# KiCad board amix 68k(r1).kicad_pcb (continued)
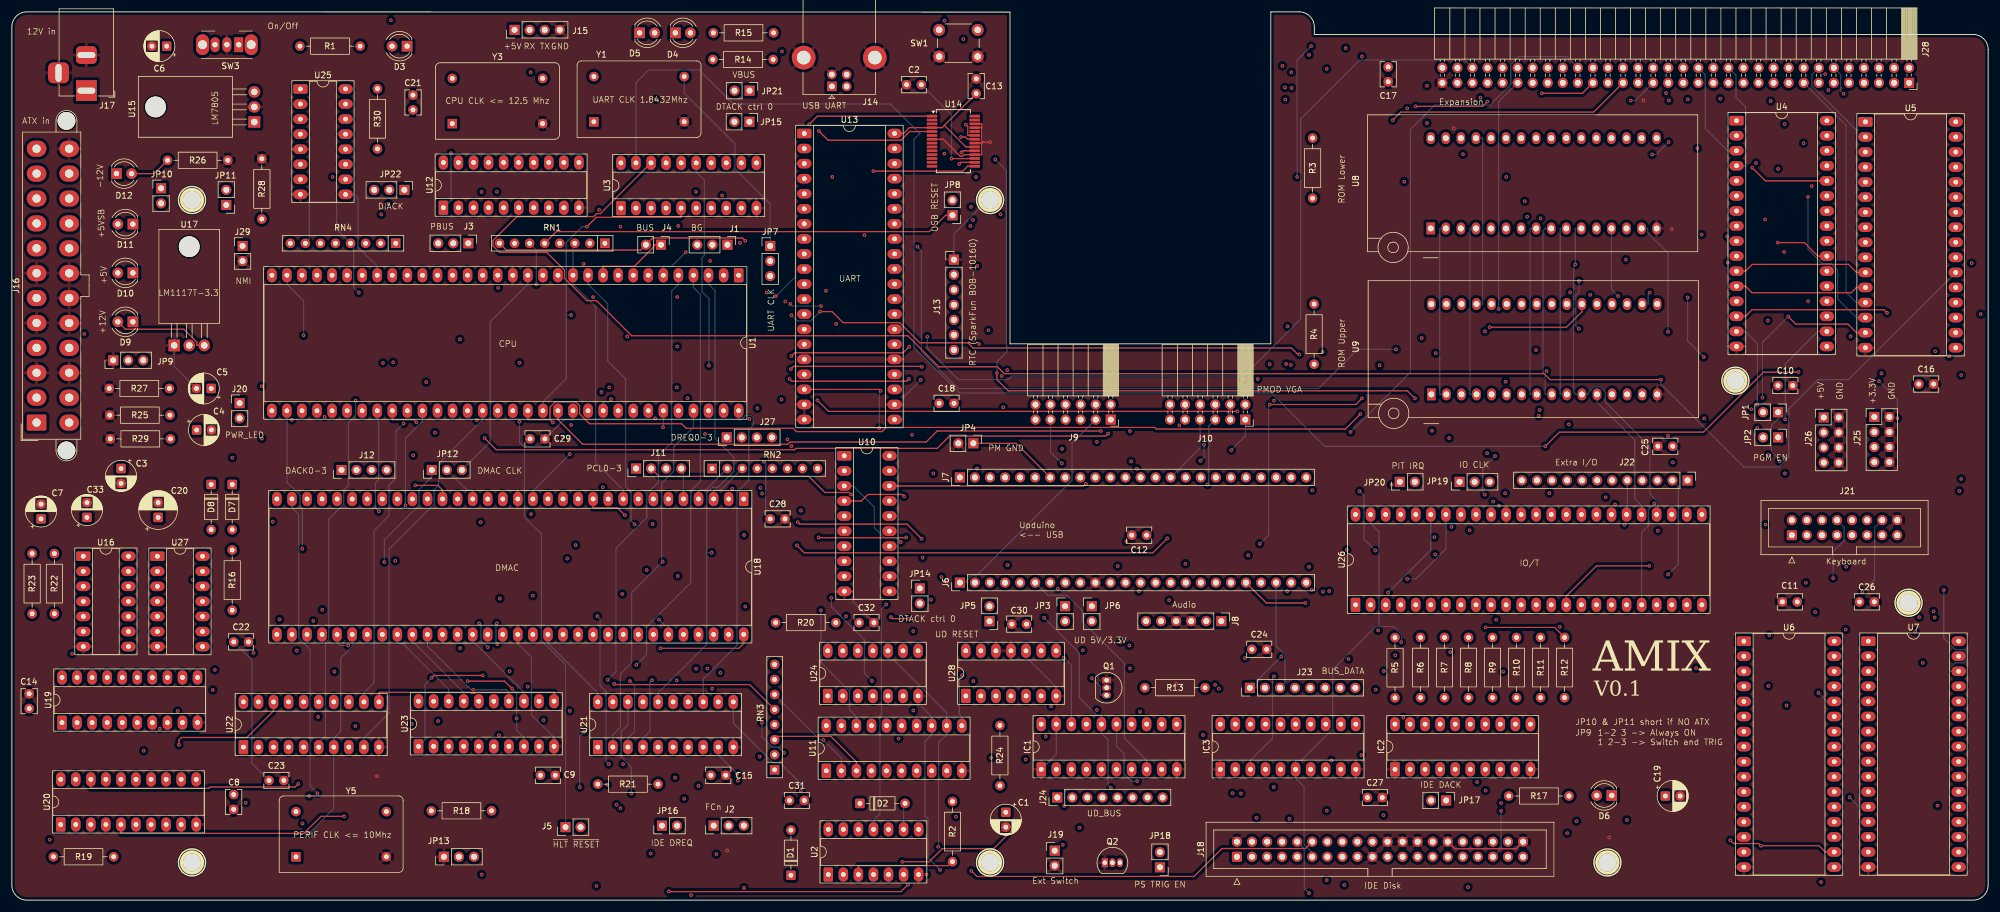
[diagram p0: board, top side]
## Routing (per net, layer and track width the routed paths; a pad name or vN(x,y) marks a point on that pad's centre or on a via; arc(x,y) is an arc through that point) (continued)
  Bottom w0.2: v1(147.49,49.89) 146.69,49.08 146.69,31.34 146.42,31.07 146.42,14.52 145.34,13.44 U2.11
JBODGE_GND: length 15.3
  Top w0.2: JP4.1 169.41,77.07 J7.7
JBUS_RESET_N: length 58.7
  In1.Cu w0.2: J24.8 193.96,17.48 IC1.9 ; JP5.1 164.92,46.47 164.85,46.4 164.85,24.37 v1(165.2,24.02)
  In2.Cu w0.2: IC1.9 193.96,23.57 193.19,24.34 165.52,24.34 v1(165.2,24.02)
KYBD_CAPS_LED: length 48.6
  In1.Cu w0.2: v1(277.66,62.33) 277.66,51.52 277.46,51.32 U26.21
  In2.Cu w0.2: v1(277.66,62.33) 296.14,62.33 296.77,62.96 311.81,62.96 J21.12
KYBD_CODE_LED: length 47.4
  In2.Cu w0.2: v1(312.17,51.99) 281.24,51.99 280.57,51.32 280,51.32 U26.22
  Bottom w0.2: v1(312.17,51.99) 314.23,54.05 314.23,62.84 J21.14
KYBD_COL_0: length 71.7
  In2.Cu w0.2: J21.1 245.48,61.57 235.23,51.32 234.28,51.32 U26.4
KYBD_COL_1: length 72
  In2.Cu w0.2: 247.6,59.98 247.77,60.15 ; 247.6,59.98 245.48,59.98 236.82,51.32 U26.5 ; 247.6,59.98 247.77,60.15 ; 247.77,60.15 301.38,60.15 J21.3
KYBD_COL_2: length 71.9
  In2.Cu w0.2: 280.37,59.71 303.48,59.71 J21.5 ; 280.37,59.71 280.25,59.58 ; 280.37,59.71 280.25,59.58 ; U26.6 239.36,51.32 247.39,59.35 280.01,59.35 280.25,59.58
KYBD_COL_3: length 79.3
  In1.Cu w0.2: J21.7 307.88,52.26 v1(304.2,48.59)
  In2.Cu w0.2: U26.7 241.9,48.32 242.3,47.92 250.64,47.92 251.04,47.51 276.15,47.51 276.39,47.75 ; 276.39,47.75 276.51,47.88 ; 276.39,47.75 276.51,47.88 ; v1(304.2,48.59) 303.5,47.88 276.51,47.88
KYBD_COL_4: length 76.3
  In1.Cu w0.2: v1(309.42,56.25) 310.42,57.25 J21.9
  In2.Cu w0.2: U26.8 244.44,48.32 252.55,48.32 253.33,49.1 253.33,50.52 258.16,55.35 276.62,55.35 277.53,56.25 v1(309.42,56.25)
KYBD_COL_5: length 71.8
  In2.Cu w0.2: 280.49,59.26 310.65,59.26 J21.11 ; 280.49,59.26 280.41,59.18 ; 280.49,59.26 280.41,59.18 ; 280.41,59.18 280.18,58.95 254.6,58.95 246.98,51.32 U26.9
KYBD_COL_6: length 71.8
  In2.Cu w0.2: 280.58,58.78 280.66,58.86 ; 280.58,58.78 280.66,58.86 ; 280.58,58.78 280.3,58.51 256.7,58.51 249.52,51.32 U26.10 ; 280.66,58.86 312.79,58.86 J21.13
KYBD_COL_7: length 72
  In2.Cu w0.2: J21.15 313.47,57 274.4,57 274.2,56.8 ; 274.2,56.8 274.03,56.64 ; 274.2,56.8 274.03,56.64 ; U26.11 252.06,51.32 257.37,56.64 274.03,56.64
KYBD_ROW_A: length 47.6
  In1.Cu w0.2: U26.17 267.3,51.32 272.02,56.05 v1(272.02,63.34)
  In2.Cu w0.2: v1(272.02,63.34) 287.36,63.34 289.34,65.33 301.58,65.33 J21.4
KYBD_ROW_B: length 49.1
  In1.Cu w0.2: v1(302.62,53.55) 304.07,55 304.07,62.84 J21.6
  In2.Cu w0.2: v1(302.62,53.55) 282.16,53.55 280.41,51.8 279.14,51.8 278.57,51.22 278.37,51.22 278.27,51.32 276.98,51.32 276.19,50.53 276.19,49.09 275.42,48.32 269.84,48.32 U26.18
KYBD_ROW_C: length 48.7
  In2.Cu w0.2: v1(307.23,54.33) 281.11,54.33 278.47,51.69 278.43,51.72 276.02,51.72 275.62,51.32 272.38,51.32 U26.19
  Bottom w0.2: v1(307.23,54.33) 307.23,58.82 309.07,60.66 309.07,62.92 J21.8
KYBD_ROW_D: length 52.5
  In2.Cu w0.2: v1(277.08,66.92) 307.61,66.92 J21.10
  Bottom w0.2: v1(277.08,66.92) 276.05,65.88 276.05,63.14 274.92,62.01 U26.20
PCLK: length 375.1
  In1.Cu w0.2: v1(131.51,76.61) 131.51,87.4 131.78,87.67 131.78,88.17 127.92,92.03 127.92,105.28 JP7.3 ; v1(62.84,57.04) 63.61,56.26 63.61,15.38 Y5.8 ; J28.33 280.61,136.68 280.61,79.6 v1(279.37,78.35)
  In2.Cu w0.2: v1(279.37,78.35) 252.77,78.35 245.36,70.94 245.36,70.57 244.79,70.57 ; JP19.1 244.79,70.57 ; 244.79,70.57 243.07,72.29 222.45,72.29 220.31,70.15 205.17,70.15 204.25,71.07 204.25,71.81 201.04,75.02 179.58,75.02 179.18,75.42 166.53,75.42 163.73,78.22 159.07,78.22 157.45,76.61 v1(131.51,76.61) 92.69,76.61 89.93,79.36 86.58,79.36 81.5,74.29 73.42,74.29 71.99,72.86 71.99,72.57 JP12.1
  Bottom w0.2: v1(62.84,57.04) 62.84,60.75 68.67,66.59 68.67,69.25 70.84,71.42 JP12.1
PMOD_GND: length 66.9
  In1.Cu w0.2: J9.4 J9.3
  In2.Cu w0.2: J10.4 204.34,82.42 184.02,82.42 J9.4
  Bottom w0.2: J9.3 178.85,77.09 178.85,70.84 162.73,54.72 161.93,54.72 161.07,53.86 161.07,53.57 J6.1 ; J10.3 J10.4
PS_TRIG: length 16.5
  In2.Cu w0.2: 158.95,31.11 158.78,30.94 ; 158.95,31.11 165.04,31.11 R24.1 ; 158.95,31.11 158.78,30.94 ; 158.78,30.94 152.63,30.94 152.63,30.94 U11.14
R/~{W}: length 480.1
  In1.Cu w0.2: U1.9 102.28,111.73 103.64,113.09 ; IC1.12 193.96,44.9 195.22,46.16 v1(195.22,50.61) ; U26.43 239.36,66.56 238.4,67.52 238.4,95.12 238,95.52 238,130.4 v1(238.71,131.1) ; v1(102.65,113.62) 103.12,113.62 103.64,113.09 ; 103.64,113.09 103.91,113.36 103.91,117.88 103.52,118.26 101.96,118.26 101.16,117.46 101.16,108.84 98.61,106.29 98.61,104.32 96.06,101.77 96.06,77.19 v1(94.11,75.24) ; U18.15 87.89,66.18 91.66,62.4 91.66,39.63 94.1,37.19 v1(94.1,31.93) 94.1,30.06 98.33,25.82 U21.1
  In2.Cu w0.2: U10.1 140.14,75.24 v1(94.11,75.24) ; v1(94.1,31.93) 94.65,31.38 100.08,31.38 100.33,31.13 119.56,31.13 119.96,31.53 125.51,31.53 RN3.6 ; v1(195.22,50.61) 195.35,50.74 223.79,50.74 224.93,51.89 v1(232.16,51.89) ; U3.7 117.98,115.26 111.72,115.26 110.08,113.62 v1(102.65,113.62) ; v1(273.07,134.89) 266.9,134.89 266.1,134.09 241.69,134.09 v1(238.71,131.1) ; v1(136.88,27.02) 137.28,26.62 192.39,26.62 193.96,28.19 IC1.12
  Bottom w0.2: U26.43 239.36,59.09 v1(232.16,51.89) ; RN3.6 136.34,27.02 v1(136.88,27.02) 139.93,23.97 U11.2 ; v1(273.07,134.89) 273.87,134.89 J28.35 ; v1(94.11,75.24) 88.06,69.18 87.89,69.18 U18.15
RESET: length 111.9
  In1.Cu w0.2: 145.16,65.54 145.33,65.37 ; 145.16,65.54 144.53,66.18 144.53,113.76 147.41,116.64 U13.35 ; 145.16,65.54 145.33,65.37 ; 145.33,65.37 145.33,50.46 146.09,49.7 146.09,49.31 147.31,48.08 147.31,47.88 148.96,46.23 148.96,28.54 149.64,27.87 149.85,27.87 153.78,23.94 153.78,14.26 152.96,13.44 U2.8
RTC_CIPO: length 33.1
  In1.Cu w0.2: 156.19,114.19 156.19,118.48 150.41,124.26 U13.38 ; 156.19,114.19 156.35,114.03 ; 156.19,114.19 156.35,114.03 ; 156.35,114.03 156.35,106.37 158.59,104.13 159.4,104.13 160.08,103.44 160.08,99.06 J13.5
RTC_CLK: length 18.9
  In1.Cu w0.2: 150.58,110.32 150.41,110.49 ; 150.58,110.32 150.41,110.49 ; 150.58,110.32 150.81,110.09 150.81,109.11 158.92,101.01 J13.4 ; 150.41,110.49 150.41,114.1 U13.34
RTC_COPI: length 20.7
  In1.Cu w0.2: 151.68,102.78 151.68,107.59 150.41,108.87 150.41,109.72 148.91,111.22 U13.33 ; 151.68,102.78 151.91,102.55 ; 151.68,102.78 151.91,102.55 ; 151.91,102.55 151.91,102.37 J13.6
RTC_SQW: length 24
  In1.Cu w0.2: 152.16,118.5 152.16,109.73 J13.3 ; 152.16,118.5 152,118.67 ; 152.16,118.5 152,118.67 ; 152,118.67 150.41,120.25 150.41,121.72 U13.37
RTC_SS: length 18.7
  In1.Cu w0.2: J13.7 152.16,99.58 152.16,101.49 150.41,103.24 150.41,106.48 U13.31
UART_CLK: length 34.6
  Bottom w0.2: Y1.8 113.42,136.16 121.96,127.62 121.96,123.41 127.92,117.45 JP7.1
UART_RX: length 106.1
  Top w0.2: v1(134.5,130.88) 135.89,132.27 U14.1
  In1.Cu w0.2: J15.2 87.34,139.83 v1(87.51,139.66) ; U13.10 135.17,106.48 135.66,106.97 135.66,126.8 135.26,127.21 135.26,130.13 v1(134.5,130.88)
  In2.Cu w0.2: v1(134.5,130.88) 130.98,134.4 92.15,134.4 87.51,139.04 v1(87.51,139.66)
UART_TX: length 106.6
  Top w0.2: U14.5 151.44,129.67 149.97,128.2 137.69,128.2 v1(136.13,129.77)
  In1.Cu w0.2: 136.23,117.91 136.06,118.07 ; 136.23,117.91 136.06,118.07 ; 136.23,117.91 136.23,105 135.17,103.94 U13.11 ; 136.06,118.07 136.06,126.97 135.83,127.21 ; 135.66,129.77 135.66,130.57 129.91,136.32 v1(129.91,143.17) ; 135.66,129.77 v1(136.13,129.77) ; 135.66,129.77 135.66,127.37 ; 135.66,127.37 135.83,127.21 ; 135.66,127.37 135.83,127.21
  In2.Cu w0.2: J15.3 93.53,143.17 v1(129.91,143.17)
UD_3V3: length 4.8
  In1.Cu w0.2: JP6.1 182.17,51.64 J6.9
UD_5V: length 4
  In1.Cu w0.2: JP3.1 177.67,50.75 177.7,50.78 J6.8
UD_IRQ: length 39.6
  In1.Cu w0.2: J7.6 168.81,67.51 168.81,51.6 167.23,50.02 167.23,37.19 166,35.95 U28.3
USB_D+: length 36.5
  Top w0.2: v1(145.33,122.99) 160.41,122.99 161.24,123.82 U14.15
  In1.Cu w0.2: v1(145.33,122.99) 139.67,128.65 139.67,138.14 J14.3
USB_D-: length 27.4
  Top w0.2: v1(159.8,124.21) 160.06,124.47 U14.16
  In1.Cu w0.2: J14.2 147.17,137.28 159.8,124.66 v1(159.8,124.21)
VGA_B0: length 46.2
  In2.Cu w0.2: J9.12 173.94,82.34 175.63,82.34 176.6,81.37 176.6,80.54 180.91,76.23 204.56,76.23 205.46,75.33 209.25,75.33 J7.22
VGA_B1: length 38.8
  In1.Cu w0.2: J9.10 176.6,82.22 176.6,76.7 v1(177.16,76.14)
  In2.Cu w0.2: J7.19 201.54,75.42 179.74,75.42 179.03,76.14 v1(177.16,76.14)
VGA_B2: length 30.5
  In1.Cu w0.2: v1(196.95,80.09) 198.02,79.02 J7.16
  In2.Cu w0.2: v1(196.95,80.09) 196.78,79.92 182.33,79.92 181.56,80.69 181.56,81.46 180.57,82.46 178.9,82.46 J9.8
VGA_B3: length 16.5
  In1.Cu w0.2: J7.13 190.39,71.32 189.17,72.53 189.17,72.81 181.56,80.43 181.56,82.34 J9.6
VGA_G0: length 21.1
  In1.Cu w0.2: J7.21 210.72,71.77 205.96,76.53 205.85,76.53 201.72,80.66 201.72,81.43 200.93,82.23 196.53,82.23 J10.11
VGA_G1: length 11.9
  In1.Cu w0.2: J10.9 203.1,75.88 J7.18
VGA_G2: length 11.8
  Bottom w0.2: J10.7 200.45,76.29 J7.15
VGA_G3: length 25.8
  In2.Cu w0.2: J7.12 189.05,70.12 v1(201.7,70.12)
  Bottom w0.2: v1(201.7,70.12) 201.9,70.33 201.9,79.98 J10.5
VGA_HS: length 28.3
  In1.Cu w0.2: J7.9 180.94,71.32 182.52,69.74 193.05,69.74 194.21,70.89 194.21,82.45 J10.12
VGA_R0: length 39.5
  In2.Cu w0.2: J9.11 175.94,77.8 178.14,77.8 180.11,75.83 203.67,75.83 J7.20
VGA_R1: length 32.6
  In2.Cu w0.2: v1(177.11,73.69) 177.39,73.42 198.46,73.42 J7.17
  Bottom w0.2: v1(177.11,73.69) 175.21,75.6 J9.9
VGA_R2: length 22.4
  In1.Cu w0.2: J7.14 191.78,70.16 184.85,70.16 184.05,70.96 184.05,74.77 J9.7
VGA_R3: length 11.8
  In1.Cu w0.2: J9.5 185.32,76.04 J7.11
VGA_VS: length 25.3
  In1.Cu w0.2: v1(189.77,72.78) 189.77,79.69 194.91,84.83 196.69,84.83 J10.10
  In2.Cu w0.2: v1(189.77,72.78) 184.24,72.78 J7.10
~{AS}: length 385
  Top w0.2: v1(248.92,134.73) 248.11,133.92 v1(236.79,133.92) ; v1(150.52,68.12) 150.2,68.44 144.4,68.44 143.3,67.34 U10.4
  In1.Cu w0.2: v1(113.68,109.3) 114.08,109.7 114.08,110.71 119.11,115.74 119.11,117.32 124.66,122.88 125.6,122.88 U3.11 ; v1(236.79,133.92) 236.79,89.94 232.75,85.9 v1(232.75,70.09) ; U18.14 90.43,73.25 93.56,76.38 93.56,78.3 93.39,78.47 93.39,100.69 95.86,103.16 95.86,106.76 v1(96.45,107.34) ; RN3.4 125.56,32.72 125.56,69.71 126.18,70.33 126.35,70.33 129.46,67.22 v1(129.46,66.92)
  In2.Cu w0.2: U18.14 90.43,66.18 90.45,66.16 128.69,66.16 v1(129.46,66.92) 138.5,66.92 138.92,67.34 U10.4 ; v1(232.75,70.09) 223.91,70.09 221.94,68.12 v1(150.52,68.12) ; J28.37 272.1,135.66 262.86,135.66 261.91,134.72 248.92,134.72 ; v1(96.45,107.34) 98.4,109.3 v1(113.68,109.3) ; 248.92,134.72 248.63,134.72 ; 248.92,134.72 v1(248.92,134.73)
  Bottom w0.2: v1(113.68,109.3) 111.31,106.93 109.9,106.93 U1.6
~{BERR}: length 261.6
  Top w0.2: v1(123.73,111.24) 123.24,111.72 108.11,111.72 J4.2 106.06,109.67 83.41,109.67 RN1.8
  In1.Cu w0.2: v1(233.5,92.91) 233.5,121.47 235.39,123.36 v1(235.39,133.57)
  In2.Cu w0.2: RN1.8 78.37,106.93 69.26,106.93 U1.22 ; J28.47 259.26,135.52 248.72,135.52 247.97,134.78 236.59,134.78 v1(235.39,133.57) ; v1(152.76,110.24) 131.98,110.24 130.7,111.52 124.01,111.52 v1(123.73,111.24)
  Bottom w0.2: v1(233.5,92.91) 227.01,92.91 220.42,86.32 159.67,86.32 153.42,92.57 153.42,109.49 152.76,110.14 v1(152.76,110.24)
~{BGACK}: length 74.6
  In2.Cu w0.2: 106.39,112.49 106.23,112.32 ; 106.39,112.49 106.63,112.72 114.2,112.72 115.15,111.78 118.63,111.78 119.56,110.86 119.56,110.57 J1.1 ; 106.39,112.49 106.23,112.32 ; 106.23,112.32 96.46,112.32 RN1.3
  Bottom w0.2: RN1.3 94.66,110.52 U1.12 94.66,103.93 98.47,100.12 98.47,73.84 103.13,69.18 U18.9
~{BG}: length 318.6
  Top w0.2: v1(153.46,60.98) 151,63.44 132.9,63.44 v1(132.57,63.76) ; v1(227.75,84.66) 226.71,83.62 v1(212.2,83.62) ; 266.7,137.88 264.94,136.12 v1(258.08,136.12)
  In1.Cu w0.2: v1(258.08,136.12) 253.32,131.36 253.32,123.23 v1(252.1,122.01) ; U18.58 108.21,46.32 108.08,46.45 v1(108.08,63.47) ; v1(234.88,121.21) 234.88,91.79 v1(227.75,84.66)
  In2.Cu w0.2: v1(153.46,60.98) 154.54,59.9 210.28,59.9 v1(210.5,60.12) ; v1(252.1,122.01) 251.3,121.21 v1(234.88,121.21) ; v1(105.05,63.4) 108.02,63.4 v1(108.08,63.47) 108.33,63.22 132.03,63.22 v1(132.57,63.76) ; U1.11 97.2,106.93 98.62,108.35 115.95,108.35 J1.2
  Bottom w0.2: v1(105.05,63.4) 104.44,64.02 104.44,68.85 103.53,69.75 103.53,87.96 100.51,90.98 100.51,100.62 97.2,103.93 U1.11 ; v1(210.5,60.12) 211.99,61.61 211.99,83.41 v1(212.2,83.62)
~{BR}: length 314.6
  In1.Cu w0.2: 113.25,85.41 111.15,83.31 111.15,81.79 109.73,80.37 109.6,80.37 109.25,80.02 109.25,79.48 109.18,79.41 109.18,70.42 109.34,70.27 109.34,62.94 109.14,62.75 v1(109.14,47.33) ; 113.25,85.41 v1(113.98,84.67) ; 113.25,85.41 113.25,85.5 113.87,86.13 113.87,107.85 115.63,109.61 J1.3 ; RN1.2 93.61,106.93 92.12,106.93 U1.13 ; v1(167.23,83.13) 167.23,86.76 166.96,87.03 v1(166.96,88.42) ; v1(221.12,92.49) 221.5,92.87 221.5,136.97 225,140.48 v1(225,143.74)
  In2.Cu w0.2: J1.3 114.28,111.92 98.6,111.92 RN1.2 ; v1(113.98,84.67) 114.18,84.47 128.32,84.47 132.81,79.98 145.8,79.98 146.09,80.26 146.58,80.26 146.87,79.98 149.77,79.98 151.32,81.54 151.32,81.54 165.63,81.54 v1(167.23,83.13) ; v1(221.12,92.49) 219.03,92.49 215.36,88.82 211.09,88.82 210.6,89.31 204.57,89.31 204.3,89.04 169.58,89.04 168.96,88.42 v1(166.96,88.42) ; v1(225,143.74) 262.53,143.74 265.34,140.93 265.34,139.06 J28.45
  Bottom w0.2: v1(109.14,47.33) 110.16,46.32 110.75,46.32 U18.59
~{DMAC_ACK0}: length 239.2
  In1.Cu w0.2: v1(230.01,58.99) 228.09,57.07 228.09,48.97 228.53,48.53 228.53,37.95 230.67,35.81 230.67,30.3 234.6,26.36 234.6,21.33 239.11,16.82 239.4,16.82 ; U18.26 59.95,69.18 59.83,69.18 56.76,72.25 56.76,72.57 J12.1
  In2.Cu w0.2: v1(227.35,68.99) 223.64,68.99 220.79,66.14 139.8,66.14 136.46,62.79 63.33,62.79 59.95,66.18 U18.26
  Bottom w0.2: v1(230.01,58.99) 228.1,60.9 228.1,68.24 v1(227.35,68.99)
~{DMAC_ACK1}: length 271.2
  In1.Cu w0.2: v1(69.89,87.4) 68.04,85.55 68.04,81.45 67.61,81.02 67.61,75.14 v1(67.72,75.04) ; J12.2 61.54,69.18 62.49,69.18 U18.25 ; v1(214.33,140.74) 213.17,139.58 213.17,92.57 211.42,90.82 211.42,89.48 210.17,88.23 v1(210.17,87.92)
  In2.Cu w0.2: J28.52 254.04,142.93 227.8,142.93 227.79,142.93 227.5,142.93 227.15,142.58 227.1,142.53 221.77,142.53 219.98,140.74 v1(214.33,140.74) ; J12.2 60.62,75.04 v1(67.72,75.04) ; v1(69.89,87.4) 69.97,87.32 152.91,87.32 153.06,87.18 169.75,87.18 170.81,88.24 205.01,88.24 205.09,88.32 207.34,88.32 207.45,88.44 207.95,88.44 208.07,88.32 210.08,88.32 210.17,88.23 v1(210.17,87.92)
~{DMAC_ACK2}: length 7.2
  In1.Cu w0.2: J12.3 64.08,69.18 65.03,69.18 U18.24
~{DMAC_ACK3}: length 7.2
  In1.Cu w0.2: U18.23 67.57,69.18 66.62,69.18 J12.4
~{DMAC_BEC0}: length 83.7
  In2.Cu w0.2: 129.11,71.35 129.36,71.35 RN2.6 ; 129.11,71.35 128.95,71.19 ; 129.11,71.35 128.95,71.19 ; 128.95,71.19 128.71,70.95 128.54,70.95 128.13,71.37 120.15,71.37 119.9,71.12 ; 77.27,70.79 77.04,70.55 71.91,70.55 71.48,70.97 64.75,70.97 ; 77.27,70.79 77.44,70.95 ; 77.27,70.79 77.44,70.95 ; 64.58,70.81 64.75,70.97 ; 64.58,70.81 64.75,70.97 ; 64.58,70.81 64.35,70.57 53.72,70.57 52.33,69.18 U18.29 ; 119.9,71.12 119.74,70.95 ; 119.9,71.12 119.74,70.95 ; 119.74,70.95 102.31,70.95 101.91,71.35 83.88,71.35 ; 83.71,71.19 83.47,70.95 77.44,70.95 77.44,70.95 ; 83.71,71.19 83.88,71.35 ; 83.71,71.19 83.88,71.35
~{DMAC_BEC1}: length 83.6
  In2.Cu w0.2: 83.88,70.79 83.64,70.55 79.89,70.55 79.89,70.55 77.6,70.55 ; 83.88,70.79 84.02,70.93 ; 83.88,70.79 84.02,70.93 ; 84.02,70.93 101.68,70.93 102.06,70.55 119.9,70.55 ; 119.9,70.55 120.07,70.72 ; 119.9,70.55 120.07,70.72 ; 77.44,70.38 77.6,70.55 ; 77.44,70.38 77.6,70.55 ; 77.44,70.38 77.2,70.15 71.66,70.15 71.23,70.57 64.91,70.57 ; 129.11,70.79 129.25,70.93 ; 129.11,70.79 129.25,70.93 ; 129.11,70.79 128.88,70.55 128.3,70.55 127.9,70.95 120.3,70.95 120.07,70.72 ; 129.25,70.93 131.48,70.93 RN2.7 ; U18.28 54.87,69.18 55.86,70.17 64.51,70.17 64.75,70.41 ; 64.75,70.41 64.91,70.57 ; 64.75,70.41 64.91,70.57
~{DMAC_BEC2}: length 83.2
  In2.Cu w0.2: 77.6,69.98 77.68,70.06 ; 77.6,69.98 76.99,69.37 64.26,69.37 64.12,69.51 ; 77.6,69.98 77.68,70.06 ; 77.68,70.06 83.72,70.06 84.04,70.38 ; U18.27 57.41,69.18 57.41,69.18 63.56,69.18 ; 63.73,69.35 63.56,69.18 ; 63.73,69.35 63.56,69.18 ; 63.73,69.35 63.95,69.35 ; 84.04,70.38 84.19,70.53 ; 84.04,70.38 84.19,70.53 ; 129.28,70.38 129.42,70.53 ; 129.28,70.38 129.42,70.53 ; 129.28,70.38 129.04,70.15 122.76,70.15 122.45,70.45 120.37,70.45 120.07,70.15 101.89,70.15 101.51,70.53 84.19,70.53 ; 129.42,70.53 133.62,70.53 RN2.8 ; 64.12,69.51 63.95,69.35 ; 64.12,69.51 63.95,69.35
~{DMAC_CS}: length 99.2
  In1.Cu w0.2: v1(145.1,37) 146.62,35.47 146.62,31.87 147.55,30.94 U11.16 ; U18.17 82.81,51.38 v1(82.31,50.89)
  In2.Cu w0.2: v1(82.31,50.89) 83.41,51.99 88.14,51.99 89.11,51.02 v1(138.25,51.02)
  Bottom w0.2: v1(138.25,51.02) 138.25,49.49 143.82,43.91 143.82,38.27 v1(145.1,37)
~{DMAC_IACK}: length 17
  In2.Cu w0.2: U12.17 80.41,122.94 77.29,119.82 JP22.1
~{DMAC_IRQ}: length 100.9
  Top w0.2: U18.21 72.65,69.18 71.86,69.97 v1(68.07,69.97)
  In1.Cu w0.2: v1(68.07,69.97) 62.85,75.19 62.85,90.04 63.2,90.39 63.2,97.83 v1(58.53,102.5)
  In2.Cu w0.2: RN4.4 58.23,109.72 60.21,109.72 61.07,110.58 61.07,111.25 64.27,114.46 79.55,114.46 80.41,115.32 U12.4
  Bottom w0.2: v1(58.53,102.5) 57.66,103.37 57.66,110.29 RN4.4 54.79,113.16 54.79,129.23 U25.13
~{DMAC_OWN}: length 113.8
  Top w0.2: v1(79.43,37.9) 71.2,37.9 v1(70.81,37.51)
  In1.Cu w0.2: v1(112.16,37.08) 113.29,38.22 U18.60
  In2.Cu w0.2: U23.1 67.2,27.33 53.81,27.33 53.03,26.55 53.03,25.11 52.24,24.32 40.56,24.32 U22.1 ; U18.60 113.29,43.32 116.84,39.77 RN3.8 ; v1(79.43,37.9) 79.46,37.88 103.51,37.88 103.82,37.57 107.63,37.57 107.76,37.7 108.26,37.7 108.38,37.57 111.67,37.57 v1(112.16,37.08)
  Bottom w0.2: U23.1 69.7,27.04 69.7,36.4 v1(70.81,37.51)
~{DMAC_REQ0}: length 70.8
  In1.Cu w0.2: RN2.2 120.67,76.84 120.59,76.92 J27.1 ; U18.4 115.83,49.58 114.69,48.44 114.69,39.05 113.06,37.42 113.06,37.14 112.81,36.89 112.81,16.86 109.67,13.72 JP16.1
  Bottom w0.2: U18.4 115.83,69.18 117.03,69.18 RN2.2
~{DMAC_REQ1}: length 213.1
  In1.Cu w0.2: RN2.3 123.13,72.9 J27.2 ; 258.45,88.02 258.45,83.43 v1(257.71,82.69) ; 258.45,88.02 258.28,88.19 ; 258.45,88.02 258.28,88.19 ; 258.28,88.19 258.28,89.5 258.52,89.73 258.52,131.4 260.28,133.16 260.28,139.23 J28.50
  In2.Cu w0.2: 176.62,85.38 176.86,85.61 211.86,85.61 212.59,84.88 213.16,84.88 213.51,84.53 213.51,84.39 214.81,83.09 257.31,83.09 v1(257.71,82.69) ; 176.62,85.38 176.46,85.21 ; 176.62,85.38 176.46,85.21 ; 176.46,85.21 171.37,85.21 165.26,79.09 155.62,79.09 154.44,77.92 131.48,77.92 131.08,78.32 129.82,78.32 128.92,79.22 124.28,79.22 J27.2
  Bottom w0.2: U18.3 118.37,69.18 119.57,69.18 RN2.3
~{DMAC_REQ2}: length 13.4
  In1.Cu w0.2: J27.3 125.67,72.9 RN2.4 125.75,72.79 121.76,68.8 121.26,68.8 120.91,69.16 U18.2
~{DMAC_REQ3}: length 12.9
  In1.Cu w0.2: J27.4 128.21,72.9 RN2.5 127.53,72.82 123.45,68.73 U18.1
~{DMAC_UAS}: length 69.2
  In1.Cu w0.2: RN3.7 129.79,36.11 129.79,29.15 128.97,28.34 128.36,28.34 127.52,27.5 127.52,18.89 140.18,6.22 140.31,6.22 141.36,5.18 141.36,3.8 142.34,2.82 143.26,2.82 143.26,2.82 144.64,2.82 145.22,2.24 145.8,2.24 U2.5
  In2.Cu w0.2: RN3.7 129.81,38.37 129.81,40.2 126.69,43.32 115.83,43.32 U18.61
~{DTACK}: length 391.9
  Top w0.2: v1(103.4,64.95) 102.18,66.18 98.05,66.18 U18.11 ; U1.10 99.74,106.93 105,106.93 108.35,110.28 108.35,110.57 J4.1
  In1.Cu w0.2: JP15.2 120.37,131.32 114.18,125.13 114.18,116.04 113.4,115.26 112.47,115.26 109.5,112.29 J4.1 ; J28.49 258.99,137.88 256.26,135.15 254.34,135.15 248.04,128.85 248.04,105.21 246.02,103.19 246.02,74.5 241.9,70.39 U26.42 ; U18.11 98.05,69.18 98.46,69.59 98.46,101.29 99.74,102.57 U1.10 ; v1(102.65,15.51) 102.87,15.51 105.18,17.81 105.18,35.2 102.02,38.35 102.02,46.48 102.98,47.44 v1(102.98,51.65) 103.4,52.07 v1(103.4,64.95)
  In2.Cu w0.2: R18.2 102.22,15.07 v1(102.65,15.51) ; v1(235.37,54.2) 234.04,55.53 159.04,55.53 153.87,50.36 153.17,50.36 ; JP14.2 153.17,50.36 ; 153.17,50.36 152.97,50.55 139.91,50.55 138.81,51.65 v1(102.98,51.65)
  Bottom w0.2: U26.42 241.9,59.27 236.83,54.2 v1(235.37,54.2)
~{DTC}: length 62.1
  Top w0.2: RN3.5 124.45,36.37 101.73,36.37 v1(101.6,36.5)
  In1.Cu w0.2: U18.10 100.59,66.18 99.46,65.05 99.46,37.49 99.92,37.03 99.92,36.92 100.27,36.57 101.53,36.57 v1(101.6,36.5)
~{FPGA_CS}: length 69.8
  In1.Cu w0.2: v1(152.07,32) 151.6,32.46 151.6,39.3 150.33,40.57 U24.9
  In2.Cu w0.2: 145.25,32.06 145.32,32 v1(152.07,32) 152.44,31.62 168.85,31.62 172.28,28.19 174.11,28.19 174.15,28.22 174.65,28.22 174.68,28.19 191.42,28.19 IC1.13 ; 145.25,32.06 U24.4 ; 145.25,32.06 144.13,30.94 139.93,30.94 U11.19
~{FPGA_R}: length 60.1
  In2.Cu w0.2: U24.6 150.33,32.95 151.97,32.95 152.5,32.41 162.11,32.41 162.5,32.03 176.79,32.03 176.93,31.89 ; IC3.19 206.39,31.19 190.57,31.19 190.55,31.18 190.05,31.18 190.04,31.19 177.9,31.19 177.07,32.03 ; 176.93,31.89 177.07,32.03 ; 176.93,31.89 177.07,32.03
~{FPGA_W}: length 98.6
  In1.Cu w0.2: v1(233.35,41.29) 232.19,40.13 232.19,33.35 v1(234.73,30.81)
  In2.Cu w0.2: 179.78,40.55 179.79,40.56 ; 179.78,40.55 179.79,40.56 ; 179.78,40.55 179.55,40.32 178.85,40.32 178.03,39.49 153.94,39.49 152.87,40.57 U24.8 ; 179.79,40.56 205.53,40.56 205.84,40.25 208.26,40.25 208.51,40.5 213.19,40.5 213.59,40.1 215.76,40.1 216.95,41.29 v1(233.35,41.29) ; v1(234.73,30.81) 235.11,31.19 235.85,31.19 IC2.19
~{HALT}: length 426.5
  Top w0.2: v1(131.51,91.8) 132.05,92.34 150.36,92.34 v1(151.39,93.37)
  In1.Cu w0.2: v1(238.71,137.4) 237.6,136.29 237.6,95.03 v1(237.8,94.83) ; D3.1 66.67,142.87 70.19,139.34 70.19,125.02 72.33,122.88 73.3,122.88 73.89,123.48 73.89,124.99 74.86,125.95 78.32,125.95 78.97,125.3 78.97,123.85 84.09,118.72 84.09,111.91 83.53,111.35 83.53,108.5 81.96,106.93 U1.17 85.63,101.76 v1(85.63,90.66) v1(85.63,80.73)
  In2.Cu w0.2: v1(85.63,90.66) 86.77,91.8 v1(131.51,91.8) ; v1(237.8,94.83) 218.18,94.83 214.81,91.46 214.54,91.46 213.95,90.88 213.95,90.72 213.17,90.72 213.17,90.84 212.59,91.42 211.75,91.42 211.54,91.21 211.43,91.31 203.74,91.31 203.47,91.04 175.56,91.04 ; U1.17 81.96,106.93 88.53,106.93 RN1.4 ; J5.1 94.55,12.32 94.55,12.03 96.38,10.2 129.8,10.2 D1.2 ; J28.51 255.39,139.04 245.91,139.04 245.23,138.36 245.23,137.63 244.33,136.73 239.38,136.73 v1(238.71,137.4) ; v1(151.39,93.37) 153.71,91.04 175.67,91.04
  Bottom w0.2: J5.1 93.39,39.75 89.33,43.82 89.33,61.78 86.46,64.65 86.46,76.38 85.63,77.22 v1(85.63,80.73)
~{IACK}: length 19.5
  In2.Cu w0.2: U12.18 77.87,122.94 64.25,122.94 JP22.3
~{IDE0_CS}: length 129.2
  In1.Cu w0.2: U11.17 145.01,27.94 148.82,24.13 148.82,15.84 151.86,12.8 151.86,9.36 154.27,6.95 v1(154.27,4.31)
  In2.Cu w0.2: v1(154.27,4.31) 155.03,3.55 194.74,3.55 195.02,3.84 ; 195.02,3.84 195.19,4 ; 195.02,3.84 195.19,4 ; 195.19,4 249.06,4 J18.37
~{IDE_IRQ}: length 331.6
  In1.Cu w0.2: J18.31 244.76,3.04 v1(245.62,2.18) ; v1(79.26,4.31) 76.69,6.88 76.69,16.72 72.55,20.86 72.55,36.18 73.76,37.39 73.76,52.66 68.67,57.74 68.67,70.22 65.45,73.45 65.45,106.29 63.84,107.89 62.6,107.89 RN4.3 59.67,111.39 54.79,116.27 54.79,126.69 U25.12
  In2.Cu w0.2: U12.3 77.87,115.32 77.61,115.06 63.91,115.06 RN4.3 ; 222.75,2.02 222.91,2.18 ; 222.75,2.02 222.51,1.78 155.96,1.78 155.59,1.42 155.55,1.38 124.14,1.38 123.89,1.63 123.75,1.49 123.26,1.49 122.9,1.84 122.9,2.07 99.13,2.07 98.86,1.8 98.36,1.8 98.09,2.07 81.5,2.07 v1(79.26,4.31) ; 222.75,2.02 222.91,2.18 ; 222.91,2.18 223.13,1.96 245.39,1.96 v1(245.62,2.18)
~{IO_R}: length 119.5
  In2.Cu w0.2: v1(156.59,5.11) 157.71,3.99 194.24,3.99 194.94,4.69 234.51,4.69 J18.25
  Bottom w0.2: v1(156.59,5.11) 154.56,7.15 154.56,13.73 154.04,14.25 154.04,26.81 155.17,27.94 U11.13 155.17,30.94 153.16,32.95 147.79,32.95 U24.5
~{IO_W}: length 118.9
  In2.Cu w0.2: J18.23 232.93,5.65 202.32,5.65 201.05,6.92 192.97,6.92 192.52,7.37 180.5,7.37 180.34,7.2 173.89,7.2 172.08,9.01 v1(156.27,9.01)
  Bottom w0.2: U24.10 147.79,40.57 148.74,40.57 157.71,31.6 U11.12 157.71,27.94 156.33,26.56 156.33,9.08 v1(156.27,9.01)
~{IPL0}: length 16.7
  Bottom w0.2: U25.9 57.79,119.07 58.4,118.46 58.4,110.17 61.64,106.93 U1.25
~{IPL1}: length 27.6
  In1.Cu w0.2: U1.24 64.18,106.93 61.98,106.93 58.23,110.68 58.23,112.12 54.1,116.25 v1(54.1,122.01)
  In2.Cu w0.2: v1(54.1,122.01) 50.57,122.01 50.17,121.61 U25.7
~{IPL2}: length 31.7
  In1.Cu w0.2: v1(63.51,117.46) 66.72,114.25 U1.23
  In2.Cu w0.2: v1(63.51,117.46) 61.28,117.46 58.42,120.31 58.42,121.55 57.08,122.9 51.42,122.9 50.17,124.15 U25.6
~{IRQ_5}: length 291.1
  Top w0.2: v1(131.39,89.59) 131.85,90.06 153.42,90.06 v1(153.49,89.99)
  In1.Cu w0.2: v1(212.17,90.42) 212.17,90.42 212.17,90.84 214.02,92.68 214.02,95.96 213.79,96.18 213.79,97.38 214.42,98 214.42,120.72 214.21,120.93 214.21,123.09 214.42,123.3 214.42,133.76 213.92,134.26 213.92,137.13 214.15,137.36 214.16,137.36 214.42,137.62 214.42,138.25 v1(215.83,139.66) ; v1(64.33,90.73) 64.33,99.87 60.2,103.99 60.2,106.3 59.09,107.42 55.45,107.42 RN4.6 52.05,132.43 50.17,134.31 U25.2
  In2.Cu w0.2: v1(212.17,90.42) 211.97,90.22 211.4,90.22 211.24,90.37 211.24,90.37 211.1,90.51 204.08,90.51 203.81,90.24 166.84,90.24 166.7,90.09 153.6,90.09 v1(153.49,89.99) 153.49,89.99 153.58,90.07 ; v1(64.33,90.73) 65.47,89.59 v1(131.39,89.59) ; v1(215.83,139.66) 219.87,139.66 221.93,141.73 228,141.73 228.35,142.08 228.4,142.13 249.76,142.13 J28.56
